# KiCad board poly_kb.kicad_pcb
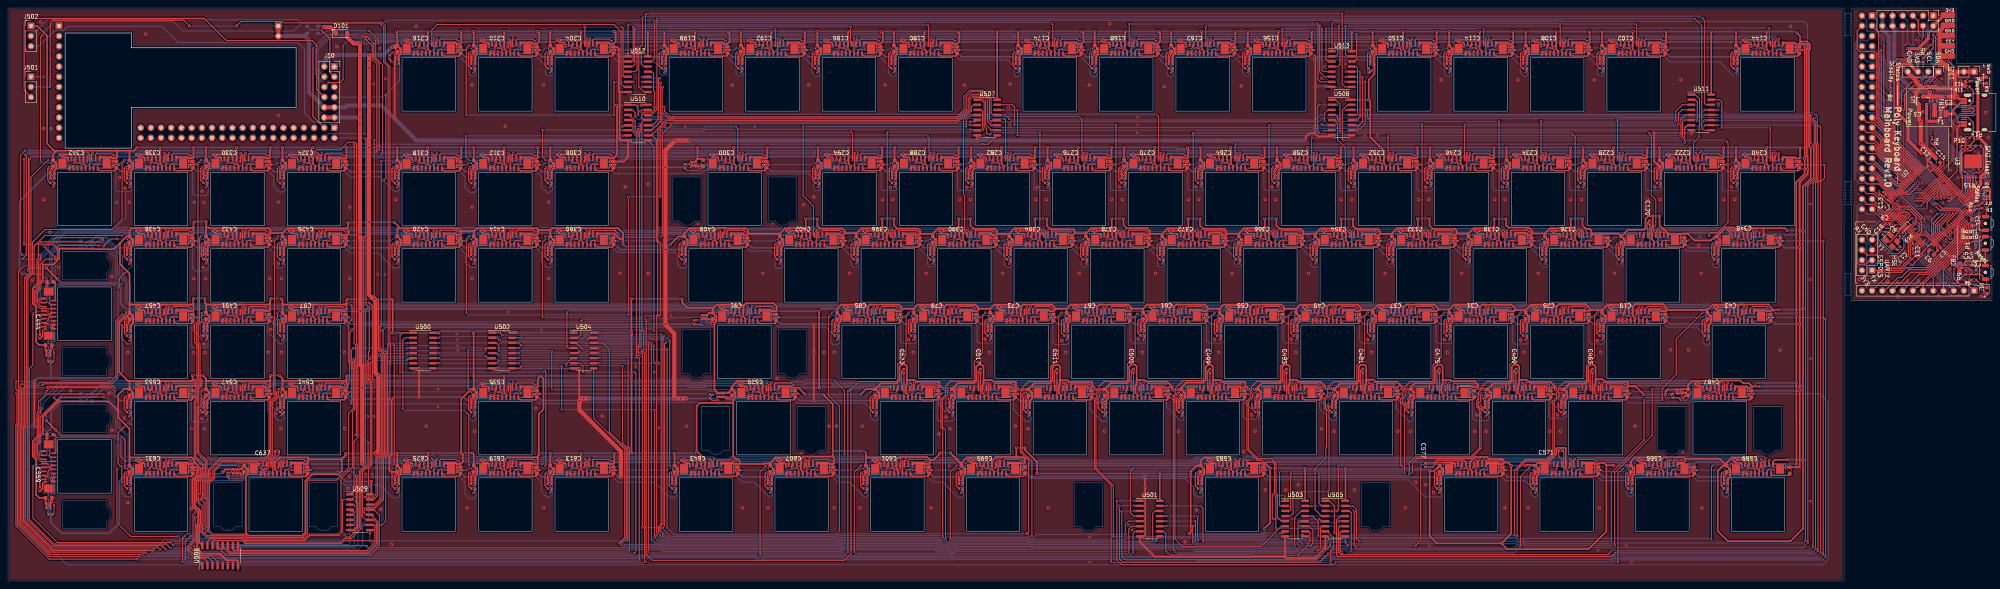
[diagram p0: board, top side]
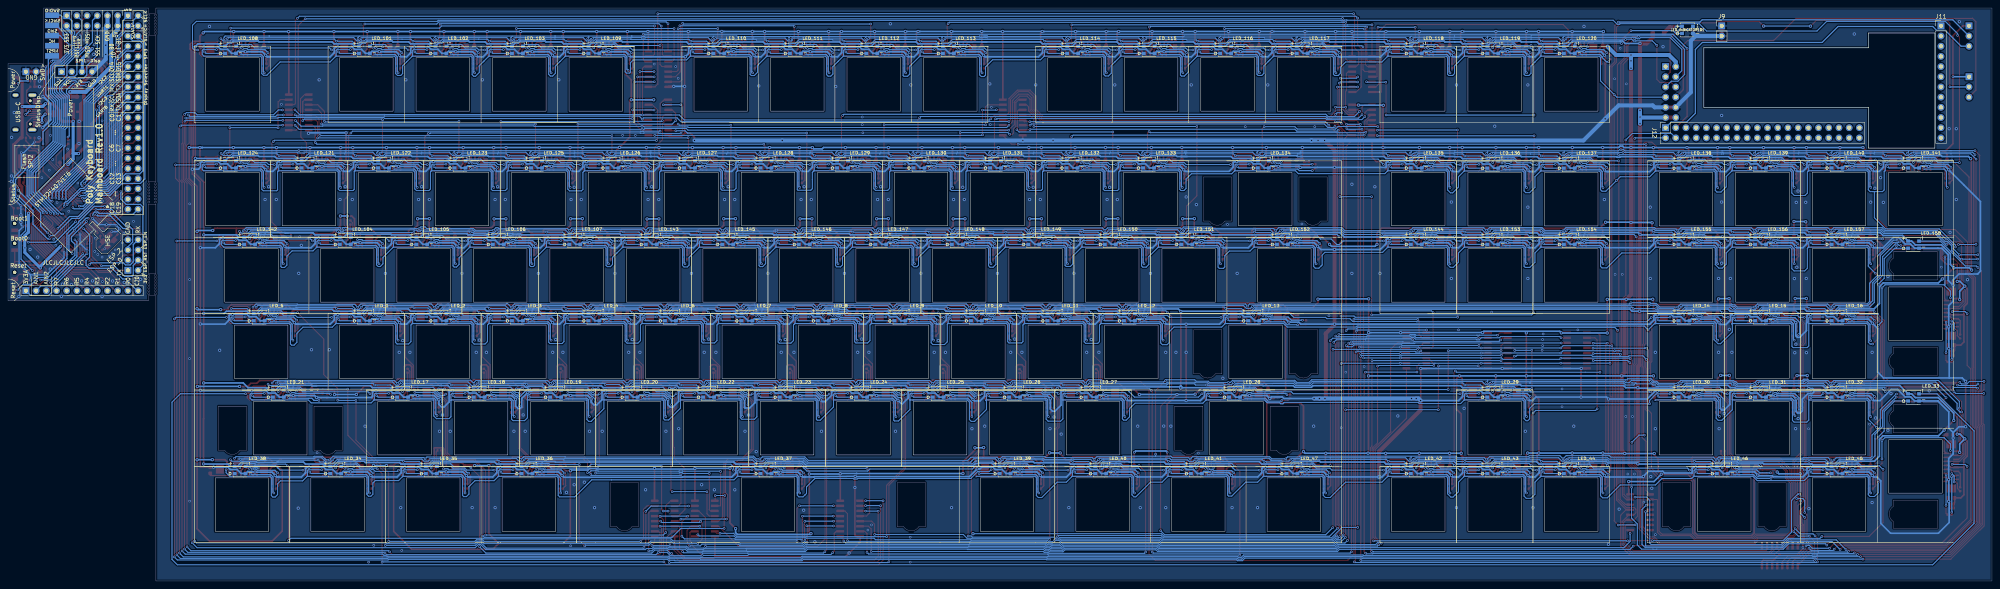
[diagram p1: board, bottom side, seen from below]

Outline 494.03 x 142.88 mm; copper layers: Top, Bottom. Coordinates in mm from the lower left corner of the outline.
Outline path: 12.38,88.58 25.72,88.58 25.72,101.92 12.38,101.92 closed ; 25.71,59.99 25.71,73.33 12.38,73.33 12.38,59.99 closed ; 25.72,21.91 25.72,35.24 12.38,35.24 12.38,21.91 closed ; 31.43,88.58 44.77,88.58 44.77,101.92 31.43,101.92 closed ; 31.43,69.53 44.77,69.53 44.77,82.87 31.43,82.87 closed ; 31.43,50.48 44.77,50.48 44.77,63.82 31.43,63.82 closed ; 31.43,31.43 44.77,31.43 44.77,44.77 31.43,44.77 closed ; 31.43,12.38 44.77,12.38 44.77,25.72 31.43,25.72 closed ; 50.48,88.58 63.82,88.58 63.82,101.92 50.48,101.92 closed ; 50.48,69.53 63.82,69.53 63.82,82.87 50.48,82.87 closed ; 50.48,50.48 63.82,50.48 63.82,63.82 50.48,63.82 closed ; 50.48,31.43 63.82,31.43 63.82,44.77 50.48,44.77 closed ; 60.01,12.38 73.34,12.38 73.34,25.72 60.01,25.72 closed ; 69.53,88.53 82.87,88.53 82.87,101.87 69.53,101.87 closed ; 69.53,69.53 82.87,69.53 82.87,82.87 69.53,82.87 closed ; 69.53,50.48 82.87,50.48 82.87,63.82 69.53,63.82 closed ; 69.53,31.43 82.87,31.43 82.87,44.77 69.53,44.77 closed ; 98.11,117.16 111.44,117.16 111.44,130.49 98.11,130.49 closed ; 98.11,88.53 111.44,88.53 111.44,101.87 98.11,101.87 closed ; 98.11,69.53 111.44,69.53 111.44,82.87 98.11,82.87 closed ; 98.11,12.38 111.44,12.38 111.44,25.72 98.11,25.72 closed ; 117.16,88.53 130.49,88.53 130.49,101.87 117.16,101.87 closed ; 117.16,69.53 130.49,69.53 130.49,82.87 117.16,82.87 closed ; 117.16,31.43 130.49,31.43 130.49,44.77 117.16,44.77 closed ; 117.16,12.38 130.49,12.38 130.49,25.72 117.16,25.72 closed ; 117.16,117.16 130.49,117.16 130.49,130.49 117.16,130.49 closed ; 136.21,117.16 149.54,117.16 149.54,130.49 136.21,130.49 closed ; 136.21,88.58 149.54,88.58 149.54,101.92 136.21,101.92 closed ; 136.21,69.53 149.54,69.53 149.54,82.87 136.21,82.87 closed ; 136.21,12.38 149.54,12.38 149.54,25.72 136.21,25.72 closed ; 164.62,117.16 177.96,117.16 177.96,130.49 164.62,130.49 closed ; 167.16,12.38 180.5,12.38 180.5,25.72 167.16,25.72 closed ; 169.54,69.53 182.88,69.53 182.88,82.87 169.54,82.87 closed ; 174.31,88.58 187.64,88.58 187.64,101.92 174.31,101.92 closed ; 176.69,50.48 190.02,50.48 190.02,63.82 176.69,63.82 closed ; 181.45,31.43 194.79,31.43 194.79,44.77 181.45,44.77 closed ; 183.67,117.16 197.01,117.16 197.01,130.49 183.67,130.49 closed ; 190.98,12.38 204.31,12.38 204.31,25.72 190.98,25.72 closed ; 193.36,69.53 206.69,69.53 206.69,82.87 193.36,82.87 closed ; 202.72,117.16 216.06,117.16 216.06,130.49 202.72,130.49 closed ; 202.88,88.58 216.22,88.58 216.22,101.92 202.88,101.92 closed ; 207.64,50.48 220.98,50.48 220.98,63.82 207.64,63.82 closed ; 212.41,69.53 225.74,69.53 225.74,82.87 212.41,82.87 closed ; 214.79,12.38 228.12,12.38 228.12,25.72 214.79,25.72 closed ; 217.17,31.43 230.5,31.43 230.5,44.77 217.17,44.77 closed ; 221.77,117.16 235.11,117.16 235.11,130.49 221.77,130.49 closed ; 221.93,88.58 235.27,88.58 235.27,101.92 221.93,101.92 closed ; 226.69,50.48 240.03,50.48 240.03,63.82 226.69,63.82 closed ; 231.46,69.53 244.79,69.53 244.79,82.87 231.46,82.87 closed ; 236.22,31.43 249.55,31.43 249.55,44.77 236.22,44.77 closed ; 238.6,12.38 251.94,12.38 251.94,25.72 238.6,25.72 closed ; 240.98,88.58 254.32,88.58 254.32,101.92 240.98,101.92 closed ; 245.74,50.48 259.08,50.48 259.08,63.82 245.74,63.82 closed ; 250.51,69.53 263.84,69.53 263.84,82.87 250.51,82.87 closed ; 252.73,117.16 266.06,117.16 266.06,130.49 252.73,130.49 closed ; 255.27,31.43 268.6,31.43 268.6,44.77 255.27,44.77 closed ; 260.03,88.58 273.37,88.58 273.37,101.92 260.03,101.92 closed ; 264.79,50.48 278.13,50.48 278.13,63.82 264.79,63.82 closed ; 269.56,69.53 282.89,69.53 282.89,82.87 269.56,82.87 closed ; 271.78,117.16 285.11,117.16 285.11,130.49 271.78,130.49 closed ; 274.32,31.43 287.65,31.43 287.65,44.77 274.32,44.77 closed ; 279.08,88.58 292.42,88.58 292.42,101.92 279.08,101.92 closed ; 283.84,50.48 297.18,50.48 297.18,63.82 283.84,63.82 closed ; 288.61,69.53 301.94,69.53 301.94,82.87 288.61,82.87 closed ; 290.83,117.16 304.16,117.16 304.16,130.49 290.83,130.49 closed ; 293.37,31.43 306.7,31.43 306.7,44.77 293.37,44.77 closed ; 298.13,88.58 311.47,88.58 311.47,101.92 298.13,101.92 closed ; 298.13,12.38 311.47,12.38 311.47,25.72 298.13,25.72 closed ; 302.89,50.48 316.23,50.48 316.23,63.82 302.89,63.82 closed ; 307.66,69.53 320.99,69.53 320.99,82.87 307.66,82.87 closed ; 309.88,117.16 323.21,117.16 323.21,130.49 309.88,130.49 closed ; 312.42,31.43 325.75,31.43 325.75,44.77 312.42,44.77 closed ; 317.18,88.58 330.52,88.58 330.52,101.92 317.18,101.92 closed ; 321.94,50.48 335.28,50.48 335.28,63.82 321.94,63.82 closed ; 326.71,69.53 340.04,69.53 340.04,82.87 326.71,82.87 closed ; 331.47,31.43 344.8,31.43 344.8,44.77 331.47,44.77 closed ; 336.23,88.58 349.57,88.58 349.57,101.92 336.23,101.92 closed ; 340.99,117.16 354.33,117.16 354.33,130.49 340.99,130.49 closed ; 340.99,50.48 354.33,50.48 354.33,63.82 340.99,63.82 closed ; 345.76,69.53 359.09,69.53 359.09,82.87 345.76,82.87 closed ; 350.52,31.43 363.85,31.43 363.85,44.77 350.52,44.77 closed ; 355.28,88.58 368.62,88.58 368.62,101.92 355.28,101.92 closed ; 357.66,12.38 371,12.38 371,25.72 357.66,25.72 closed ; 360.04,117.16 373.38,117.16 373.38,130.49 360.04,130.49 closed ; 360.04,50.48 373.38,50.48 373.38,63.82 360.04,63.82 closed ; 364.81,69.53 378.14,69.53 378.14,82.87 364.81,82.87 closed ; 369.57,31.43 382.9,31.43 382.9,44.77 369.57,44.77 closed ; 374.33,88.58 387.67,88.58 387.67,101.92 374.33,101.92 closed ; 379.09,117.16 392.43,117.16 392.43,130.49 379.09,130.49 closed ; 379.09,50.48 392.43,50.48 392.43,63.82 379.09,63.82 closed ; 381.48,12.38 394.81,12.38 394.81,25.72 381.48,25.72 closed ; 383.86,69.53 397.19,69.53 397.19,82.87 383.86,82.87 closed ; 388.62,31.43 401.95,31.43 401.95,44.77 388.62,44.77 closed ; 393.38,88.58 406.72,88.58 406.72,101.92 393.38,101.92 closed ; 398.14,117.16 411.48,117.16 411.48,130.49 398.14,130.49 closed ; 398.14,50.48 411.48,50.48 411.48,63.82 398.14,63.82 closed ; 402.91,69.53 416.24,69.53 416.24,82.87 402.91,82.87 closed ; 405.29,12.38 418.62,12.38 418.62,25.72 405.29,25.72 closed ; 412.43,88.58 425.77,88.58 425.77,101.92 412.43,101.92 closed ; 419.58,31.43 432.91,31.43 432.91,44.77 419.58,44.77 closed ; 424.34,50.48 437.67,50.48 437.67,63.82 424.34,63.82 closed ; 426.72,69.53 440.05,69.53 440.05,82.87 426.72,82.87 closed ; 429.1,12.38 442.44,12.38 442.44,25.72 429.1,25.72 closed ; 431.48,88.58 444.82,88.58 444.82,101.92 431.48,101.92 closed ; 431.48,117.16 444.82,117.16 444.82,130.49 431.48,130.49 closed ; circle c457.33,141.1 r0.25 ; circle c457.33,140.34 r0.25 ; circle c457.33,139.57 r0.25 ; circle c457.33,138.81 r0.25 ; circle c457.33,138.05 r0.25 ; circle c457.33,137.29 r0.25 ; circle c457.33,136.53 r0.25 ; circle c457.33,99.06 r0.25 ; circle c457.33,98.3 r0.25 ; circle c457.33,97.54 r0.25 ; circle c457.33,96.77 r0.25 ; circle c457.33,96.01 r0.25 ; circle c457.33,95.25 r0.25 ; circle c457.33,94.49 r0.25 ; circle c457.33,76.2 r0.25 ; circle c457.33,75.44 r0.25 ; circle c457.33,74.68 r0.25 ; circle c457.33,73.91 r0.25 ; circle c457.33,73.15 r0.25 ; circle c457.33,72.39 r0.25 ; circle c457.33,71.63 r0.25 ; circle c458.98,141.1 r0.25 ; circle c458.98,140.34 r0.25 ; circle c458.98,139.57 r0.25 ; circle c458.98,138.81 r0.25 ; circle c458.98,138.05 r0.25 ; circle c458.98,137.29 r0.25 ; circle c458.98,136.53 r0.25 ; circle c458.98,99.06 r0.25 ; circle c458.98,98.3 r0.25 ; circle c458.98,97.54 r0.25 ; circle c458.98,96.77 r0.25 ; circle c458.98,96.01 r0.25 ; circle c458.98,95.25 r0.25 ; circle c458.98,94.49 r0.25 ; circle c458.98,76.2 r0.25 ; circle c458.98,75.44 r0.25 ; circle c458.98,74.68 r0.25 ; circle c458.98,73.91 r0.25 ; circle c458.98,73.15 r0.25 ; circle c458.98,72.39 r0.25 ; circle c458.98,71.63 r0.25 ; 0,142.88 0,0 457.2,0 457.2,71.12 459.1,71.12 459.1,69.85 494.03,69.85 494.03,129.03 485.14,129.03 485.14,142.88 459.1,142.88 459.1,141.61 457.2,141.61 457.2,142.88 0,142.88 ; 13.54,82.07 24.54,82.07 24.54,80.51 arc(25.59,78.6) 24.54,76.7 24.54,75.07 13.54,75.07 13.54,82.07 ; 13.54,58.26 24.54,58.26 24.54,56.69 arc(25.59,54.79) 24.54,52.88 24.54,51.26 13.54,51.26 13.54,58.26 ; 13.55,43.98 24.55,43.98 24.55,42.42 arc(25.6,40.51) 24.55,38.61 24.55,36.98 13.55,36.98 13.55,43.98 ; 13.55,20.17 24.55,20.17 24.55,18.61 arc(25.6,16.7) 24.55,14.8 24.55,13.17 13.55,13.17 13.55,20.17 ; 14.22,136.65 14.22,107.95 30.73,107.95 30.73,118.11 71.75,118.11 71.75,132.97 30.73,132.97 30.73,136.65 14.22,136.65 ; 51.27,24.55 58.27,24.55 58.27,13.55 56.71,13.55 arc(54.8,12.5) 52.9,13.55 51.27,13.55 51.27,24.55 ; 75.08,24.55 82.08,24.55 82.08,13.55 80.52,13.55 arc(78.61,12.5) 76.71,13.55 75.08,13.55 75.08,24.55 ; 165.57,100.75 172.57,100.75 172.57,89.75 171.01,89.75 arc(169.1,88.7) 167.2,89.75 165.57,89.75 165.57,100.75 ; 167.95,62.65 174.95,62.65 174.95,51.65 173.39,51.65 arc(171.48,50.6) 169.58,51.65 167.95,51.65 167.95,62.65 ; 172.71,43.6 179.71,43.6 179.71,32.6 178.15,32.6 arc(176.25,31.55) 174.34,32.6 172.71,32.6 172.71,43.6 ; 189.38,100.75 196.38,100.75 196.38,89.75 194.82,89.75 arc(192.91,88.7) 191.01,89.75 189.38,89.75 189.38,100.75 ; 191.76,62.65 198.76,62.65 198.76,51.65 197.2,51.65 arc(195.3,50.6) 193.39,51.65 191.76,51.65 191.76,62.65 ; 196.52,43.6 203.52,43.6 203.52,32.6 201.96,32.6 arc(200.06,31.55) 198.15,32.6 196.52,32.6 196.52,43.6 ; 265.58,24.55 272.58,24.55 272.58,13.55 271.02,13.55 arc(269.11,12.5) 267.21,13.55 265.58,13.55 265.58,24.55 ; 337.02,24.55 344.02,24.55 344.02,13.55 342.46,13.55 arc(340.55,12.5) 338.65,13.55 337.02,13.55 337.02,24.55 ; 410.84,43.6 417.84,43.6 417.84,32.6 416.28,32.6 arc(414.37,31.55) 412.47,32.6 410.84,32.6 410.84,43.6 ; 434.65,43.6 441.65,43.6 441.65,32.6 440.09,32.6 arc(438.18,31.55) 436.28,32.6 434.65,32.6 434.65,43.6 ; 457.2,136.02 459.1,136.02 459.1,99.57 457.2,99.57 457.2,136.02 ; 457.2,93.98 457.2,76.71 459.1,76.71 459.1,93.98 457.2,93.98

## Placement (name value [footprint] x y rotation side)
C1  1u  [C_0402_1005Metric]  490.09 76.96 90 top
C2  1u  [C_0402_1005Metric]  482.47 120.78 0 top
C3  1u  [C_0402_1005Metric]  477.29 116.99 180 top
C4  1u  [C_0402_1005Metric]  488.65 79.22 90 top
C5  10n  [C_0402_1005Metric]  487.5 79.22 90 top
C6  4u7  [C_0603_1608Metric]  478.98 81.9 315 top
C7  100n  [C_0402_1005Metric]  480.87 82.73 225 top
C8  100n  [C_0402_1005Metric]  470.11 88.31 135 top
C9  100n  [C_0402_1005Metric]  467.99 89.15 180 top
C10  100n  [C_0402_1005Metric]  489.71 92.91 90 top
C11  100n  [C_0402_1005Metric]  474.34 83.57 270 top
C12  100n  [C_0402_1005Metric]  478.46 104.78 135 top
C13  100n  [C_0402_1005Metric]  466.98 96.49 90 top
C14  2u2  [C_0603_1608Metric]  489.08 89.41 270 top
C15  2u2  [C_0603_1608Metric]  480.59 104.88 135 top
C16  12p  [C_0402_1005Metric]  467.11 86.74 45 top
C17  12p  [C_0402_1005Metric]  470.92 82.93 225 top
C18  1uF  [C_0402_1005Metric]  396.84 61.15 0 top
C19  1uF  [C_0402_1005Metric]  399.12 68.26 180 top
C20  2.2uF  [C_0603_1608Metric]  396.96 66.1 270 top
C21  2.2uF  [C_0603_1608Metric]  412.71 65.72 90 top
C22  4.7uF  [C_0402_1005Metric]  396.81 62.29 0 top
C23  100nF  [C_0402_1005Metric]  396.84 63.43 0 top
C24  1uF  [C_0402_1005Metric]  377.79 61.15 0 top
C25  1uF  [C_0402_1005Metric]  380.07 68.26 180 top
C26  2.2uF  [C_0603_1608Metric]  377.91 66.1 270 top
C27  2.2uF  [C_0603_1608Metric]  393.66 65.72 90 top
C28  4.7uF  [C_0402_1005Metric]  377.76 62.29 0 top
C29  100nF  [C_0402_1005Metric]  377.79 63.43 0 top
C30  1uF  [C_0402_1005Metric]  358.74 61.15 0 top
C31  1uF  [C_0402_1005Metric]  361.02 68.26 180 top
C32  2.2uF  [C_0603_1608Metric]  358.86 66.1 270 top
C33  2.2uF  [C_0603_1608Metric]  374.61 65.72 90 top
C34  4.7uF  [C_0402_1005Metric]  358.71 62.29 0 top
C35  100nF  [C_0402_1005Metric]  358.74 63.43 0 top
C36  1uF  [C_0402_1005Metric]  339.69 61.15 0 top
C37  1uF  [C_0402_1005Metric]  341.97 68.26 180 top
C38  2.2uF  [C_0603_1608Metric]  339.81 66.1 270 top
C39  2.2uF  [C_0603_1608Metric]  355.56 65.72 90 top
C40  4.7uF  [C_0402_1005Metric]  339.66 62.29 0 top
C41  100nF  [C_0402_1005Metric]  339.69 63.43 0 top
C42  1uF  [C_0402_1005Metric]  423.03 61.15 0 top
C43  1uF  [C_0402_1005Metric]  425.32 68.26 180 top
C44  2.2uF  [C_0603_1608Metric]  423.16 66.1 270 top
C45  2.2uF  [C_0603_1608Metric]  438.91 65.72 90 top
C46  4.7uF  [C_0402_1005Metric]  423 62.29 0 top
C47  100nF  [C_0402_1005Metric]  423.03 63.43 0 top
C48  1uF  [C_0402_1005Metric]  320.64 61.15 0 top
C49  1uF  [C_0402_1005Metric]  322.92 68.26 180 top
C50  2.2uF  [C_0603_1608Metric]  320.76 66.1 270 top
C51  2.2uF  [C_0603_1608Metric]  336.51 65.72 90 top
C52  4.7uF  [C_0402_1005Metric]  320.61 62.29 0 top
C53  100nF  [C_0402_1005Metric]  320.64 63.43 0 top
C54  1uF  [C_0402_1005Metric]  301.59 61.15 0 top
C55  1uF  [C_0402_1005Metric]  303.87 68.26 180 top
C56  2.2uF  [C_0603_1608Metric]  301.71 66.1 270 top
C57  2.2uF  [C_0603_1608Metric]  317.46 65.72 90 top
C58  4.7uF  [C_0402_1005Metric]  301.56 62.29 0 top
C59  100nF  [C_0402_1005Metric]  301.59 63.43 0 top
C60  1uF  [C_0402_1005Metric]  282.54 61.15 0 top
C61  1uF  [C_0402_1005Metric]  284.82 68.26 180 top
C62  2.2uF  [C_0603_1608Metric]  282.66 66.1 270 top
C63  2.2uF  [C_0603_1608Metric]  298.41 65.72 90 top
C64  4.7uF  [C_0402_1005Metric]  282.51 62.29 0 top
C65  100nF  [C_0402_1005Metric]  282.54 63.43 0 top
C66  1uF  [C_0402_1005Metric]  263.49 61.15 0 top
C67  1uF  [C_0402_1005Metric]  265.77 68.26 180 top
C68  2.2uF  [C_0603_1608Metric]  263.61 66.1 270 top
C69  2.2uF  [C_0603_1608Metric]  279.36 65.72 90 top
C70  4.7uF  [C_0402_1005Metric]  263.46 62.29 0 top
C71  100nF  [C_0402_1005Metric]  263.49 63.43 0 top
C72  1uF  [C_0402_1005Metric]  244.44 61.15 0 top
C73  1uF  [C_0402_1005Metric]  246.72 68.26 180 top
C74  2.2uF  [C_0603_1608Metric]  244.56 66.1 270 top
C75  2.2uF  [C_0603_1608Metric]  260.31 65.72 90 top
C76  4.7uF  [C_0402_1005Metric]  244.41 62.29 0 top
C77  100nF  [C_0402_1005Metric]  244.44 63.43 0 top
C78  1uF  [C_0402_1005Metric]  225.39 61.15 0 top
C79  1uF  [C_0402_1005Metric]  227.67 68.26 180 top
C80  2.2uF  [C_0603_1608Metric]  225.51 66.1 270 top
C81  2.2uF  [C_0603_1608Metric]  241.26 65.72 90 top
C82  4.7uF  [C_0402_1005Metric]  225.36 62.29 0 top
C83  100nF  [C_0402_1005Metric]  225.39 63.43 0 top
C84  1uF  [C_0402_1005Metric]  206.34 61.15 0 top
C85  1uF  [C_0402_1005Metric]  208.62 68.26 180 top
C86  2.2uF  [C_0603_1608Metric]  206.46 66.1 270 top
C87  2.2uF  [C_0603_1608Metric]  222.21 65.72 90 top
C88  4.7uF  [C_0402_1005Metric]  206.31 62.29 0 top
C89  100nF  [C_0402_1005Metric]  206.34 63.43 0 top
C90  1uF  [C_0402_1005Metric]  170.79 64.52 270 top
C91  1uF  [C_0402_1005Metric]  177.67 68.26 180 top
C92  2.2uF  [C_0603_1608Metric]  175.51 66.1 270 top
C93  2.2uF  [C_0603_1608Metric]  191.26 65.72 90 top
C94  4.7uF  [C_0402_1005Metric]  173.91 65.78 90 top
C95  100nF  [C_0402_1005Metric]  172.76 65.81 90 top
C96  1uF  [C_0402_1005Metric]  68.22 61.15 0 top
C97  1uF  [C_0402_1005Metric]  70.51 68.26 180 top
C98  2.2uF  [C_0603_1608Metric]  68.35 66.1 270 top
C99  2.2uF  [C_0603_1608Metric]  84.1 65.72 90 top
C100  4.7uF  [C_0402_1005Metric]  68.2 62.29 0 top
C101  1uF  [C_0402_1005Metric]  396.84 127.82 0 top
C102  1uF  [C_0402_1005Metric]  399.12 134.93 180 top
C103  2.2uF  [C_0603_1608Metric]  396.96 132.77 270 top
C104  2.2uF  [C_0603_1608Metric]  412.71 132.39 90 top
C105  4.7uF  [C_0402_1005Metric]  396.81 128.96 0 top
C106  100nF  [C_0402_1005Metric]  396.84 130.11 0 top
C107  1uF  [C_0402_1005Metric]  377.79 127.82 0 top
C108  1uF  [C_0402_1005Metric]  380.07 134.93 180 top
C109  2.2uF  [C_0603_1608Metric]  377.91 132.77 270 top
C110  2.2uF  [C_0603_1608Metric]  393.66 132.39 90 top
C111  4.7uF  [C_0402_1005Metric]  377.76 128.96 0 top
C112  100nF  [C_0402_1005Metric]  377.79 130.11 0 top
C113  1uF  [C_0402_1005Metric]  358.74 127.82 0 top
C114  1uF  [C_0402_1005Metric]  361.02 134.93 180 top
C115  2.2uF  [C_0603_1608Metric]  358.86 132.77 270 top
C116  2.2uF  [C_0603_1608Metric]  374.61 132.39 90 top
C117  4.7uF  [C_0402_1005Metric]  358.71 128.96 0 top
C118  100nF  [C_0402_1005Metric]  358.74 130.11 0 top
C119  1uF  [C_0402_1005Metric]  401.6 80.2 0 top
C120  1uF  [C_0402_1005Metric]  408.76 89.41 270 top
C121  2.2uF  [C_0603_1608Metric]  401.73 85.15 270 top
C122  2.2uF  [C_0603_1608Metric]  417.47 84.77 90 top
C123  4.7uF  [C_0402_1005Metric]  401.57 81.34 0 top
C124  100nF  [C_0402_1005Metric]  401.6 82.48 0 top
C125  1uF  [C_0402_1005Metric]  382.55 80.2 0 top
C126  1uF  [C_0402_1005Metric]  384.84 87.31 180 top
C127  2.2uF  [C_0603_1608Metric]  382.68 85.15 270 top
C128  2.2uF  [C_0603_1608Metric]  398.42 84.77 90 top
C129  4.7uF  [C_0402_1005Metric]  382.52 81.34 0 top
C130  100nF  [C_0402_1005Metric]  382.55 82.48 0 top
C131  1uF  [C_0402_1005Metric]  344.45 80.2 0 top
C132  1uF  [C_0402_1005Metric]  346.74 87.31 180 top
C133  2.2uF  [C_0603_1608Metric]  344.58 85.15 270 top
C134  2.2uF  [C_0603_1608Metric]  360.32 84.77 90 top
C135  4.7uF  [C_0402_1005Metric]  344.42 81.34 0 top
C136  100nF  [C_0402_1005Metric]  344.45 82.48 0 top
C137  1uF  [C_0402_1005Metric]  363.5 80.2 0 top
C138  1uF  [C_0402_1005Metric]  365.79 87.31 180 top
C139  2.2uF  [C_0603_1608Metric]  363.63 85.15 270 top
C140  2.2uF  [C_0603_1608Metric]  379.37 84.77 90 top
C141  4.7uF  [C_0402_1005Metric]  363.47 81.34 0 top
C142  100nF  [C_0402_1005Metric]  363.5 82.48 0 top
C143  1uF  [C_0402_1005Metric]  430.17 127.82 0 top
C144  1uF  [C_0402_1005Metric]  432.46 134.93 180 top
C145  2.2uF  [C_0603_1608Metric]  430.3 132.77 270 top
C146  2.2uF  [C_0603_1608Metric]  446.05 132.39 90 top
C147  4.7uF  [C_0402_1005Metric]  430.15 128.96 0 top
C148  100nF  [C_0402_1005Metric]  430.17 130.11 0 top
C149  1uF  [C_0402_1005Metric]  338.79 127.25 270 top
C150  1uF  [C_0402_1005Metric]  341.97 134.93 180 top
C151  2.2uF  [C_0603_1608Metric]  339.81 132.77 270 top
C152  2.2uF  [C_0603_1608Metric]  355.56 132.39 90 top
C153  4.7uF  [C_0402_1005Metric]  339.66 128.96 0 top
C154  100nF  [C_0402_1005Metric]  339.69 130.11 0 top
C155  1uF  [C_0402_1005Metric]  308.57 127.82 0 top
C156  1uF  [C_0402_1005Metric]  310.86 134.93 180 top
C157  2.2uF  [C_0603_1608Metric]  308.7 132.77 270 top
C158  2.2uF  [C_0603_1608Metric]  324.45 132.39 90 top
C159  4.7uF  [C_0402_1005Metric]  308.54 128.96 0 top
C160  100nF  [C_0402_1005Metric]  308.57 130.11 0 top
C161  1uF  [C_0402_1005Metric]  289.52 127.82 0 top
C162  1uF  [C_0402_1005Metric]  291.81 134.93 180 top
C163  2.2uF  [C_0603_1608Metric]  289.65 132.77 270 top
C164  2.2uF  [C_0603_1608Metric]  305.4 132.39 90 top
C165  4.7uF  [C_0402_1005Metric]  289.49 128.96 0 top
C166  100nF  [C_0402_1005Metric]  289.52 130.11 0 top
C167  1uF  [C_0402_1005Metric]  270.47 127.82 0 top
C168  1uF  [C_0402_1005Metric]  272.76 134.93 180 top
C169  2.2uF  [C_0603_1608Metric]  270.6 132.77 270 top
C170  2.2uF  [C_0603_1608Metric]  286.35 132.39 90 top
C171  4.7uF  [C_0402_1005Metric]  270.44 128.96 0 top
C172  100nF  [C_0402_1005Metric]  270.47 130.11 0 top
C173  1uF  [C_0402_1005Metric]  251.42 127.82 0 top
C174  1uF  [C_0402_1005Metric]  253.71 134.93 180 top
C175  2.2uF  [C_0603_1608Metric]  251.55 132.77 270 top
C176  2.2uF  [C_0603_1608Metric]  267.3 132.39 90 top
C177  4.7uF  [C_0402_1005Metric]  251.39 128.96 0 top
C178  100nF  [C_0402_1005Metric]  251.42 130.11 0 top
C179  1uF  [C_0402_1005Metric]  220.47 127.82 0 top
C180  1uF  [C_0402_1005Metric]  222.75 134.93 180 top
C181  2.2uF  [C_0603_1608Metric]  220.59 132.77 270 top
C182  2.2uF  [C_0603_1608Metric]  236.34 132.39 90 top
C183  4.7uF  [C_0402_1005Metric]  220.44 128.96 0 top
C184  100nF  [C_0402_1005Metric]  220.47 130.11 0 top
C185  1uF  [C_0402_1005Metric]  201.42 127.82 0 top
C186  1uF  [C_0402_1005Metric]  203.7 134.93 180 top
C187  2.2uF  [C_0603_1608Metric]  201.54 132.77 270 top
C188  2.2uF  [C_0603_1608Metric]  217.29 132.39 90 top
C189  4.7uF  [C_0402_1005Metric]  201.39 128.96 0 top
C190  100nF  [C_0402_1005Metric]  201.42 130.11 0 top
C191  1uF  [C_0402_1005Metric]  182.37 127.82 0 top
C192  1uF  [C_0402_1005Metric]  184.65 134.93 180 top
C193  2.2uF  [C_0603_1608Metric]  182.49 132.77 270 top
C194  2.2uF  [C_0603_1608Metric]  198.24 132.39 90 top
C195  4.7uF  [C_0402_1005Metric]  182.34 128.96 0 top
C196  100nF  [C_0402_1005Metric]  182.37 130.11 0 top
C197  1uF  [C_0402_1005Metric]  163.32 127.82 0 top
C198  1uF  [C_0402_1005Metric]  165.6 134.93 180 top
C199  2.2uF  [C_0603_1608Metric]  163.44 132.77 270 top
C200  2.2uF  [C_0603_1608Metric]  179.19 132.39 90 top
C201  4.7uF  [C_0402_1005Metric]  163.29 128.96 0 top
C202  100nF  [C_0402_1005Metric]  163.32 130.11 0 top
C203  1uF  [C_0402_1005Metric]  134.9 127.82 0 top
C204  1uF  [C_0402_1005Metric]  137.19 134.93 180 top
C205  2.2uF  [C_0603_1608Metric]  135.03 132.77 270 top
C206  2.2uF  [C_0603_1608Metric]  150.77 132.39 90 top
C207  4.7uF  [C_0402_1005Metric]  134.87 128.96 0 top
C208  100nF  [C_0402_1005Metric]  134.9 130.11 0 top
C209  1uF  [C_0402_1005Metric]  115.85 127.82 0 top
C210  1uF  [C_0402_1005Metric]  118.14 134.93 180 top
C211  2.2uF  [C_0603_1608Metric]  115.98 132.77 270 top
C212  2.2uF  [C_0603_1608Metric]  131.72 132.39 90 top
C213  4.7uF  [C_0402_1005Metric]  115.82 128.96 0 top
C214  100nF  [C_0402_1005Metric]  115.85 130.11 0 top
C215  1uF  [C_0402_1005Metric]  95 130.58 270 top
C216  1uF  [C_0402_1005Metric]  99.09 134.93 180 top
C217  2.2uF  [C_0603_1608Metric]  96.93 132.77 270 top
C218  2.2uF  [C_0603_1608Metric]  112.67 132.39 90 top
C219  4.7uF  [C_0402_1005Metric]  96.77 128.96 0 top
C220  100nF  [C_0402_1005Metric]  96.8 130.11 0 top
C221  1uF  [C_0402_1005Metric]  411.12 99.25 0 top
C222  1uF  [C_0402_1005Metric]  413.41 106.36 180 top
C223  2.2uF  [C_0603_1608Metric]  411.25 104.2 270 top
C224  2.2uF  [C_0603_1608Metric]  427 103.82 90 top
C225  4.7uF  [C_0402_1005Metric]  411.1 100.39 0 top
C226  100nF  [C_0402_1005Metric]  411.12 101.53 0 top
C227  1uF  [C_0402_1005Metric]  392.07 99.25 0 top
C228  1uF  [C_0402_1005Metric]  394.36 106.36 180 top
C229  2.2uF  [C_0603_1608Metric]  392.2 104.2 270 top
C230  2.2uF  [C_0603_1608Metric]  407.95 103.82 90 top
C231  4.7uF  [C_0402_1005Metric]  392.05 100.39 0 top
C232  100nF  [C_0402_1005Metric]  392.07 101.53 0 top
C233  1uF  [C_0402_1005Metric]  373.02 99.25 0 top
C234  1uF  [C_0402_1005Metric]  375.31 106.36 180 top
C235  2.2uF  [C_0603_1608Metric]  373.15 104.2 270 top
C236  2.2uF  [C_0603_1608Metric]  388.9 103.82 90 top
C237  4.7uF  [C_0402_1005Metric]  373 100.39 0 top
C238  100nF  [C_0402_1005Metric]  373.02 101.53 0 top
C239  1uF  [C_0402_1005Metric]  430.17 99.25 0 top
C240  1uF  [C_0402_1005Metric]  432.46 106.36 180 top
C241  2.2uF  [C_0603_1608Metric]  430.3 104.2 270 top
C242  2.2uF  [C_0603_1608Metric]  446.05 103.82 90 top
C243  4.7uF  [C_0402_1005Metric]  430.15 100.39 0 top
C244  100nF  [C_0402_1005Metric]  430.17 101.53 0 top
C245  1uF  [C_0402_1005Metric]  353.97 99.25 0 top
C246  1uF  [C_0402_1005Metric]  356.26 106.36 180 top
C247  2.2uF  [C_0603_1608Metric]  354.1 104.2 270 top
C248  2.2uF  [C_0603_1608Metric]  369.85 103.82 90 top
C249  4.7uF  [C_0402_1005Metric]  353.95 100.39 0 top
C250  100nF  [C_0402_1005Metric]  353.97 101.53 0 top
C251  1uF  [C_0402_1005Metric]  334.92 99.25 0 top
C252  1uF  [C_0402_1005Metric]  337.21 106.36 180 top
C253  2.2uF  [C_0603_1608Metric]  335.05 104.2 270 top
C254  2.2uF  [C_0603_1608Metric]  350.8 103.82 90 top
C255  4.7uF  [C_0402_1005Metric]  334.9 100.39 0 top
C256  100nF  [C_0402_1005Metric]  334.92 101.53 0 top
C257  1uF  [C_0402_1005Metric]  315.87 99.25 0 top
C258  1uF  [C_0402_1005Metric]  318.16 106.36 180 top
C259  2.2uF  [C_0603_1608Metric]  316 104.2 270 top
C260  2.2uF  [C_0603_1608Metric]  331.75 103.82 90 top
C261  4.7uF  [C_0402_1005Metric]  315.85 100.39 0 top
C262  100nF  [C_0402_1005Metric]  315.87 101.53 0 top
C263  1uF  [C_0402_1005Metric]  296.82 99.25 0 top
C264  1uF  [C_0402_1005Metric]  299.11 106.36 180 top
C265  2.2uF  [C_0603_1608Metric]  296.95 104.2 270 top
C266  2.2uF  [C_0603_1608Metric]  312.7 103.82 90 top
C267  4.7uF  [C_0402_1005Metric]  296.8 100.39 0 top
C268  100nF  [C_0402_1005Metric]  296.82 101.53 0 top
C269  1uF  [C_0402_1005Metric]  277.77 99.25 0 top
C270  1uF  [C_0402_1005Metric]  280.06 106.36 180 top
C271  2.2uF  [C_0603_1608Metric]  277.9 104.2 270 top
C272  2.2uF  [C_0603_1608Metric]  293.65 103.82 90 top
C273  4.7uF  [C_0402_1005Metric]  277.75 100.39 0 top
C274  100nF  [C_0402_1005Metric]  277.77 101.53 0 top
C275  1uF  [C_0402_1005Metric]  258.72 99.25 0 top
C276  1uF  [C_0402_1005Metric]  261.01 106.36 180 top
C277  2.2uF  [C_0603_1608Metric]  258.85 104.2 270 top
C278  2.2uF  [C_0603_1608Metric]  274.6 103.82 90 top
C279  4.7uF  [C_0402_1005Metric]  258.7 100.39 0 top
C280  100nF  [C_0402_1005Metric]  258.72 101.53 0 top
C281  1uF  [C_0402_1005Metric]  239.67 99.25 0 top
C282  1uF  [C_0402_1005Metric]  241.96 106.36 180 top
C283  2.2uF  [C_0603_1608Metric]  239.8 104.2 270 top
C284  2.2uF  [C_0603_1608Metric]  255.55 103.82 90 top
C285  4.7uF  [C_0402_1005Metric]  239.65 100.39 0 top
C286  100nF  [C_0402_1005Metric]  239.67 101.53 0 top
C287  1uF  [C_0402_1005Metric]  220.62 99.25 0 top
C288  1uF  [C_0402_1005Metric]  222.91 106.36 180 top
C289  2.2uF  [C_0603_1608Metric]  220.75 104.2 270 top
C290  2.2uF  [C_0603_1608Metric]  236.5 103.82 90 top
C291  4.7uF  [C_0402_1005Metric]  220.6 100.39 0 top
C292  100nF  [C_0402_1005Metric]  220.62 101.53 0 top
C293  1uF  [C_0402_1005Metric]  201.57 99.25 0 top
C294  1uF  [C_0402_1005Metric]  203.86 106.36 180 top
C295  2.2uF  [C_0603_1608Metric]  201.7 104.2 270 top
C296  2.2uF  [C_0603_1608Metric]  217.45 103.82 90 top
C297  4.7uF  [C_0402_1005Metric]  201.55 100.39 0 top
C298  100nF  [C_0402_1005Metric]  201.57 101.53 0 top
C299  1uF  [C_0402_1005Metric]  168.48 103.45 270 top
C300  1uF  [C_0402_1005Metric]  175.29 106.36 180 top
C301  2.2uF  [C_0603_1608Metric]  173.13 104.2 270 top
C302  2.2uF  [C_0603_1608Metric]  188.87 103.82 90 top
C303  4.7uF  [C_0402_1005Metric]  171.24 104.06 90 top
C304  100nF  [C_0402_1005Metric]  170.1 104.09 90 top
C305  1uF  [C_0402_1005Metric]  134.9 99.25 0 top
C306  1uF  [C_0402_1005Metric]  137.19 106.36 180 top
C307  2.2uF  [C_0603_1608Metric]  135.03 104.2 270 top
C308  2.2uF  [C_0603_1608Metric]  150.77 103.82 90 top
C309  4.7uF  [C_0402_1005Metric]  134.87 100.39 0 top
C310  100nF  [C_0402_1005Metric]  134.9 101.53 0 top
C311  1uF  [C_0402_1005Metric]  115.85 99.2 0 top
C312  1uF  [C_0402_1005Metric]  118.14 106.31 180 top
C313  2.2uF  [C_0603_1608Metric]  115.98 104.15 270 top
C314  2.2uF  [C_0603_1608Metric]  131.72 103.77 90 top
C315  4.7uF  [C_0402_1005Metric]  115.82 100.34 0 top
C316  100nF  [C_0402_1005Metric]  115.85 101.48 0 top
C317  1uF  [C_0402_1005Metric]  96.8 99.2 0 top
C318  1uF  [C_0402_1005Metric]  99.09 106.31 180 top
C319  2.2uF  [C_0603_1608Metric]  96.93 104.15 270 top
C320  2.2uF  [C_0603_1608Metric]  112.67 103.77 90 top
C321  4.7uF  [C_0402_1005Metric]  96.77 100.34 0 top
C322  100nF  [C_0402_1005Metric]  96.8 101.48 0 top
C323  1uF  [C_0402_1005Metric]  68.22 99.2 0 top
C324  1uF  [C_0402_1005Metric]  70.51 106.31 180 top
C325  2.2uF  [C_0603_1608Metric]  68.35 104.15 270 top
C326  2.2uF  [C_0603_1608Metric]  84.1 103.77 90 top
C327  4.7uF  [C_0402_1005Metric]  68.2 100.34 0 top
C328  100nF  [C_0402_1005Metric]  68.22 101.48 0 top
C329  1uF  [C_0402_1005Metric]  49.17 99.25 0 top
C330  1uF  [C_0402_1005Metric]  51.46 106.36 180 top
C331  2.2uF  [C_0603_1608Metric]  49.3 104.2 270 top
C332  2.2uF  [C_0603_1608Metric]  65.05 103.82 90 top
C333  4.7uF  [C_0402_1005Metric]  49.15 100.39 0 top
C334  100nF  [C_0402_1005Metric]  49.17 101.53 0 top
C335  1uF  [C_0402_1005Metric]  30.12 99.25 0 top
C336  1uF  [C_0402_1005Metric]  32.41 106.36 180 top
C337  2.2uF  [C_0603_1608Metric]  30.25 104.2 270 top
C338  2.2uF  [C_0603_1608Metric]  46 103.82 90 top
C339  4.7uF  [C_0402_1005Metric]  30.1 100.39 0 top
C340  100nF  [C_0402_1005Metric]  30.12 101.53 0 top
C341  1uF  [C_0402_1005Metric]  11.07 99.25 0 top
C342  1uF  [C_0402_1005Metric]  13.36 106.36 180 top
C343  2.2uF  [C_0603_1608Metric]  11.2 104.2 270 top
C344  2.2uF  [C_0603_1608Metric]  26.95 103.82 90 top
C345  4.7uF  [C_0402_1005Metric]  11.05 100.39 0 top
C346  100nF  [C_0402_1005Metric]  11.07 101.53 0 top
C347  1uF  [C_0402_1005Metric]  425.41 80.2 0 top
C348  1uF  [C_0402_1005Metric]  428.68 87.53 180 top
C349  2.2uF  [C_0603_1608Metric]  425.54 85.15 270 top
C350  2.2uF  [C_0603_1608Metric]  441.29 84.77 90 top
C351  4.7uF  [C_0402_1005Metric]  425.38 81.34 0 top
C352  100nF  [C_0402_1005Metric]  425.41 82.48 0 top
C353  1uF  [C_0402_1005Metric]  325.4 80.2 0 top
C354  1uF  [C_0402_1005Metric]  327.69 87.31 180 top
C355  2.2uF  [C_0603_1608Metric]  325.53 85.15 270 top
C356  2.2uF  [C_0603_1608Metric]  341.27 84.77 90 top
C357  4.7uF  [C_0402_1005Metric]  325.37 81.34 0 top
C358  100nF  [C_0402_1005Metric]  325.4 82.48 0 top
C359  1uF  [C_0402_1005Metric]  134.9 80.2 0 top
C360  1uF  [C_0402_1005Metric]  137.19 87.31 180 top
C361  2.2uF  [C_0603_1608Metric]  135.03 85.15 270 top
C362  2.2uF  [C_0603_1608Metric]  150.77 84.77 90 top
C363  4.7uF  [C_0402_1005Metric]  134.87 81.34 0 top
C364  100nF  [C_0402_1005Metric]  134.9 82.48 0 top
C365  1uF  [C_0402_1005Metric]  306.35 80.2 0 top
C366  1uF  [C_0402_1005Metric]  308.64 87.31 180 top
C367  2.2uF  [C_0603_1608Metric]  306.48 85.15 270 top
C368  2.2uF  [C_0603_1608Metric]  322.22 84.77 90 top
C369  4.7uF  [C_0402_1005Metric]  306.32 81.34 0 top
C370  100nF  [C_0402_1005Metric]  306.35 82.48 0 top
C371  1uF  [C_0402_1005Metric]  287.3 80.2 0 top
C372  1uF  [C_0402_1005Metric]  289.59 87.31 180 top
C373  2.2uF  [C_0603_1608Metric]  287.43 85.15 270 top
C374  2.2uF  [C_0603_1608Metric]  303.17 84.77 90 top
C375  4.7uF  [C_0402_1005Metric]  287.27 81.34 0 top
C376  100nF  [C_0402_1005Metric]  287.3 82.48 0 top
C377  1uF  [C_0402_1005Metric]  268.25 80.2 0 top
C378  1uF  [C_0402_1005Metric]  270.54 87.31 180 top
C379  2.2uF  [C_0603_1608Metric]  268.38 85.15 270 top
C380  2.2uF  [C_0603_1608Metric]  284.12 84.77 90 top
C381  4.7uF  [C_0402_1005Metric]  268.22 81.34 0 top
C382  100nF  [C_0402_1005Metric]  268.25 82.48 0 top
C383  1uF  [C_0402_1005Metric]  249.2 80.2 0 top
C384  1uF  [C_0402_1005Metric]  251.49 87.31 180 top
C385  2.2uF  [C_0603_1608Metric]  249.33 85.15 270 top
C386  2.2uF  [C_0603_1608Metric]  265.07 84.77 90 top
C387  4.7uF  [C_0402_1005Metric]  249.17 81.34 0 top
C388  100nF  [C_0402_1005Metric]  249.2 82.48 0 top
C389  1uF  [C_0402_1005Metric]  230.15 80.2 0 top
C390  1uF  [C_0402_1005Metric]  232.44 87.31 180 top
C391  2.2uF  [C_0603_1608Metric]  230.28 85.15 270 top
C392  2.2uF  [C_0603_1608Metric]  246.02 84.77 90 top
C393  4.7uF  [C_0402_1005Metric]  230.12 81.34 0 top
C394  100nF  [C_0402_1005Metric]  230.15 82.48 0 top
C395  1uF  [C_0402_1005Metric]  211.1 80.2 0 top
C396  1uF  [C_0402_1005Metric]  213.39 87.31 180 top
C397  2.2uF  [C_0603_1608Metric]  211.23 85.15 270 top
C398  2.2uF  [C_0603_1608Metric]  226.97 84.77 90 top
C399  4.7uF  [C_0402_1005Metric]  211.07 81.34 0 top
C400  100nF  [C_0402_1005Metric]  211.1 82.48 0 top
C401  1uF  [C_0402_1005Metric]  192.05 80.2 0 top
C402  1uF  [C_0402_1005Metric]  194.34 87.31 180 top
C403  2.2uF  [C_0603_1608Metric]  192.18 85.15 270 top
C404  2.2uF  [C_0603_1608Metric]  207.92 84.77 90 top
C405  4.7uF  [C_0402_1005Metric]  192.02 81.34 0 top
C406  100nF  [C_0402_1005Metric]  192.05 82.48 0 top
C407  1uF  [C_0402_1005Metric]  168.24 80.2 0 top
C408  1uF  [C_0402_1005Metric]  170.52 87.31 180 top
C409  2.2uF  [C_0603_1608Metric]  168.36 85.15 270 top
C410  2.2uF  [C_0603_1608Metric]  184.11 84.77 90 top
C411  4.7uF  [C_0402_1005Metric]  168.21 81.34 0 top
C412  100nF  [C_0402_1005Metric]  168.24 82.48 0 top
C413  1uF  [C_0402_1005Metric]  115.85 80.2 0 top
C414  1uF  [C_0402_1005Metric]  118.14 87.31 180 top
C415  2.2uF  [C_0603_1608Metric]  115.98 85.15 270 top
C416  2.2uF  [C_0603_1608Metric]  131.72 84.77 90 top
C417  4.7uF  [C_0402_1005Metric]  115.82 81.34 0 top
C418  100nF  [C_0402_1005Metric]  115.85 82.48 0 top
C419  1uF  [C_0402_1005Metric]  96.8 80.2 0 top
C420  1uF  [C_0402_1005Metric]  99.09 87.31 180 top